# KiCad board yellow_panda.kicad_pcb (continued)
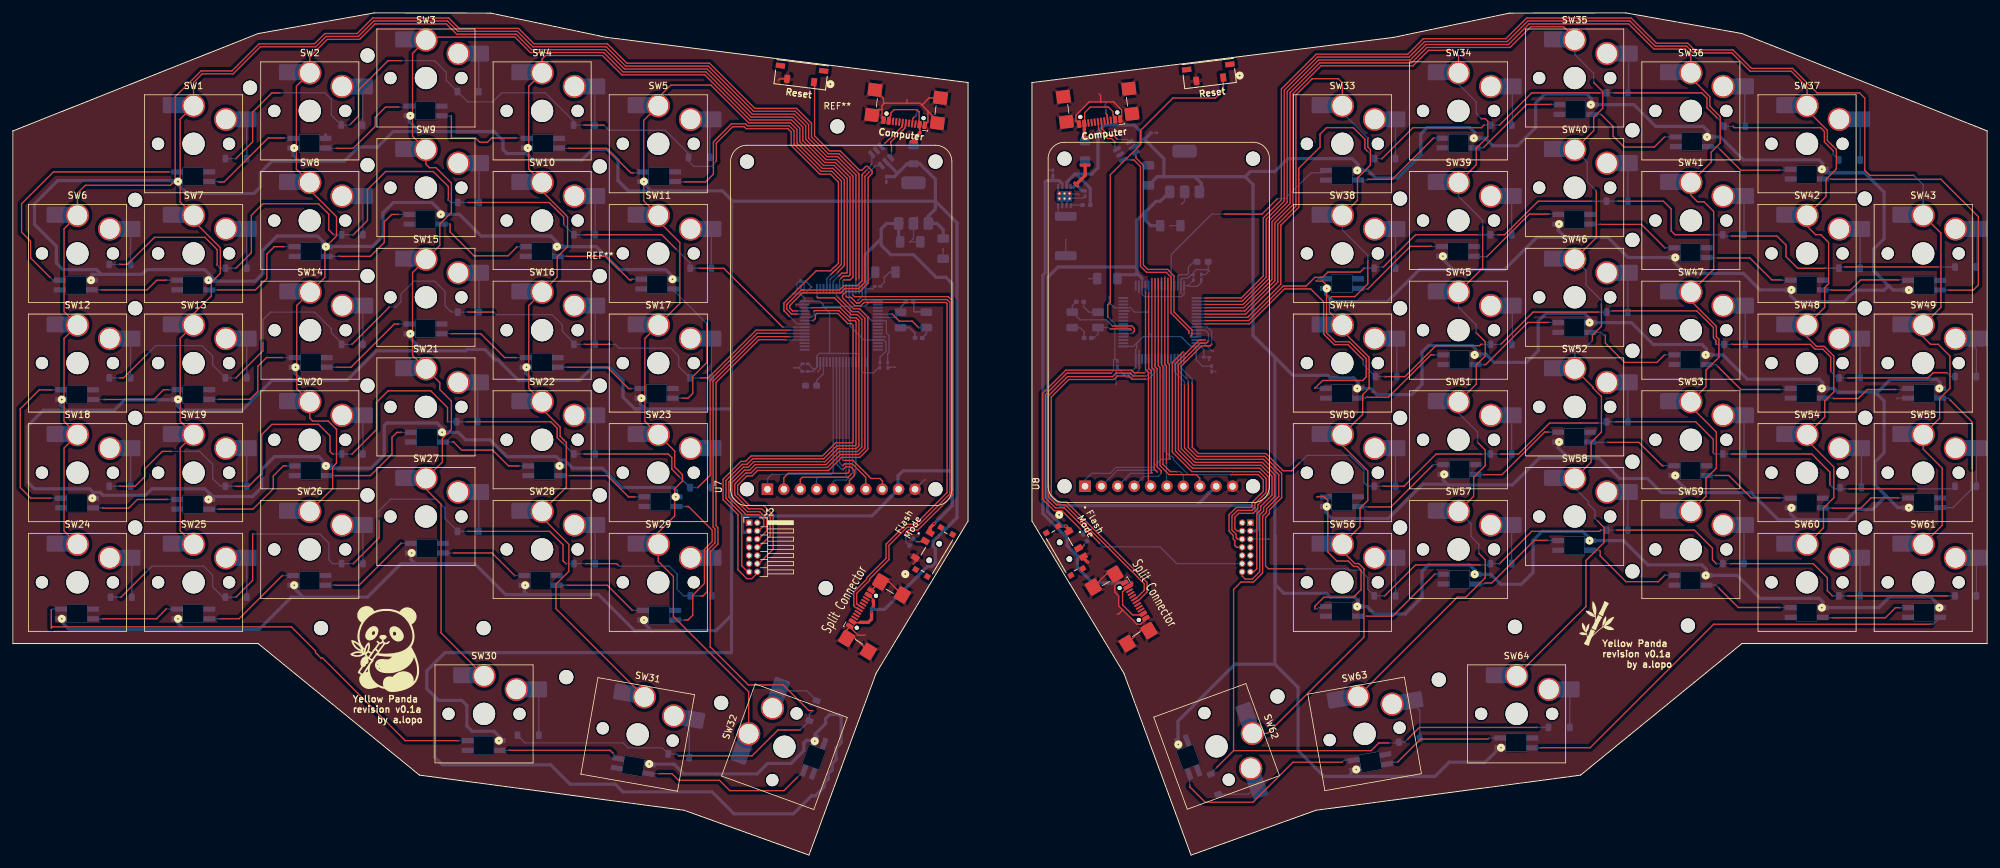
[diagram p0: board, top side]
## Routing (per net, layer and track width the routed paths; a pad name or vN(x,y) marks a point on that pad's centre or on a via; arc(x,y) is an arc through that point) (continued)
/STM MCUs/BOOT0b: length 45.1
  Top w0.2: v1(165.34,50.6) 162.54,53.4 161.34,53.4 159.54,55.2 159.54,71.6 163.14,75.2 173.34,75.2 173.74,74.8 v1(175.34,74.8)
  Bottom w0.2: R4.1 165.84,50.1 v1(165.34,50.6) ; U4.60 175.98,75.43 v1(175.34,74.8)
/STM MCUs/OSC INa: length 10.2
  Top w0.2: v1(140.34,81.8) 139.34,82.8 137.34,82.8 136.28,83.86 136.27,83.86 v1(136.24,83.89)
  Bottom w0.2: v1(136.24,83.89) U3.5 ; v1(140.34,81.8) Y1.3
  Bottom w0.25: Y1.3 141.54,80.83 C11.1
/STM MCUs/OSC OUTa: length 5.8
  Bottom w0.2: U3.6 136.73,83.39 Y1.1
  Bottom w0.25: C12.1 137.54,84.97 Y1.1
/STM MCUs/SW_BOOT0a: length 2
  Top w0.2: SW65.2 141.15,48.71 141.04,48.6 v1(140.04,48.6)
  Bottom w0.2: R3.2 139.61,49.03 v1(140.04,48.6)
/STM MCUs/SW_BOOT0b: length 1.9
  Top w0.2: v1(165.94,48) 165.53,47.59 SW66.2
  Bottom w0.2: v1(165.94,48) 165.94,48.18 R4.2
COL0a: length 228.6
  Top w0.2: SW24.1 7.92,50.28 7.92,63.12 SW18.1 7.92,67.28 7.92,80.12 SW12.1 7.92,84.28 7.92,97.12 SW6.1 10,102.66 11.21,103.87 24.41,103.87 25.14,104.6 25.14,117.6 29.14,121.6 33.94,121.6 38.14,125.8 46.74,125.8 48.34,127.4 53.34,127.4 55.74,129.8 67.54,129.8 69.14,128.2 78.34,128.2 80.74,125.8 92.13,125.8 95.13,122.8 107.94,122.8 114.94,115.8 121.42,115.8 123.74,113.48 123.74,111.36 126.36,108.75 127.99,108.75 131.1,105.64 v1(131.1,89.44)
  Bottom w0.2: v1(131.1,89.44) U3.62
COL0b: length 227.8
  Top w0.2: SW61.1 298.94,51.14 298.94,60 296,62.94 SW55.1 298.54,67.74 298.54,70.8 300.14,72.4 300.14,77.4 298.33,79.21 297.13,79.21 296,80.34 SW49.1 298.74,84.94 298.74,96.46 SW43.1 ; v1(294.54,105.4) 287.74,105.4 286.94,106.2 286.94,117.4 286.14,118.2 279.54,118.2 275.74,122 269.38,122 266.53,124.85 260.57,124.85 259.52,125.9 254.64,125.9 250.74,129.8 234.56,129.8 233.96,129.2 233.94,129.2 231.34,126.6 218.54,126.6 216.14,124.2 201.94,124.2 196.54,118.8 196.54,101.6 193.74,98.8 193.74,89.8 190.34,86.4 v1(184.74,86.4)
  Bottom w0.2: U4.33 184.13,86.38 184.14,86.4 v1(184.74,86.4) ; SW43.1 296,103.94 v1(294.54,105.4)
COL1a: length 215.6
  Top w0.2: v1(130.62,89.2) 130.62,89.24 130.62,89.25 130.62,89.44 130.62,105.48 127.81,108.3 126.17,108.3 123.29,111.18 123.29,113.29 121.23,115.35 114.76,115.35 107.76,122.35 94.94,122.35 91.94,125.35 80.56,125.35 78.16,127.75 68.94,127.75 67.34,129.35 55.93,129.35 53.53,126.95 48.53,126.95 46.93,125.35 38.33,125.35 34.13,121.15 29.33,121.15 27.99,119.81 SW1.1 25.91,114.12 25.91,101.29 SW7.1 28,98.34 32.14,94.2 32.14,90.2 30.74,88.8 30.74,86.71 28,83.96 SW13.1 25.92,80.12 25.92,67.28 SW19.1 25.92,63.12 25.92,50.28 SW25.1
  Bottom w0.2: v1(130.62,89.2) 130.6,89.17 U3.61
COL1b: length 217.7
  Top w0.2: SW60.1 280.54,50.74 280.54,53.8 282.14,55.4 282.14,60.2 278,64.34 SW54.1 280.74,67.94 280.74,70.4 282.14,71.8 282.14,77.4 280.65,78.89 279.45,78.89 278,80.34 SW48.1 280.74,84.94 280.74,88 281.34,88.6 281.34,95 280.13,96.21 279.33,96.21 278,97.54 SW42.1 280.94,102.14 280.94,104.8 282.54,106.4 282.54,109.42 281.14,110.82 281.14,112.4 278,115.54 SW37.1 278,119.1 275.56,121.55 269.19,121.55 266.34,124.4 260.38,124.4 259.33,125.45 254.45,125.45 250.56,129.35 234.74,129.35 231.54,126.15 218.73,126.15 216.33,123.75 202.13,123.75 196.99,118.61 196.99,101.4 194.19,98.6 194.19,89.61 190.46,85.88 v1(184.74,85.88)
  Bottom w0.2: v1(184.74,85.88) U4.34
COL2a: length 198.2
  Top w0.2: SW26.1 49.54,56.84 49.54,60.2 50.14,60.8 50.14,66.05 50.11,66.05 48.85,67.31 46.43,67.31 46,67.74 SW20.1 43.97,72.33 43.97,85.22 SW14.1 48.34,89.59 48.34,94.2 50.14,96 50.14,99 46,103.14 SW8.1 43.92,106.38 43.92,119.22 SW2.1 46,123.78 48.72,126.5 53.72,126.5 56.12,128.9 67.16,128.9 67.74,128.31 67.74,128.3 68.74,127.3 77.97,127.3 80.37,124.9 91.76,124.9 94.76,121.9 107.57,121.9 114.57,114.9 121.04,114.9 122.84,113.1 122.84,110.99 125.98,107.85 127.62,107.85 130.17,105.29 130.17,89.63 129.74,89.2 v1(128.74,89.2)
  Bottom w0.2: U3.57 128.6,89.06 v1(128.74,89.2)
COL2b: length 196.9
  Top w0.2: v1(184.74,85.38) 190.6,85.38 194.64,89.43 194.64,98.41 197.44,101.21 197.44,118.43 202.32,123.3 216.52,123.3 218.92,125.7 231.73,125.7 234.93,128.9 250.37,128.9 254.27,125 259.14,125 260,124.14 SW36.1 260,120.54 262.94,117.6 262.94,116.12 264.54,114.52 264.54,110.4 263.14,109 263.14,107.44 SW41.1 260,102.34 261.03,101.31 262.03,101.31 263.54,99.8 263.54,90.84 SW47.1 260,85.94 263.94,82 263.94,80.4 264.34,80 264.34,77.2 262.34,75.2 262.34,72.64 SW53.1 260,69.54 263.94,65.6 263.94,60 262.34,58.4 262.34,55.64 SW59.1
  Bottom w0.2: v1(184.74,85.38) U4.35
COL3a: length 207.5
  Top w0.2: SW30.1 66.34,34.46 66.34,54.4 64,56.74 SW27.1 66.54,60.94 66.54,64.6 67.94,66 67.94,70.4 66.14,72.2 66.14,73.26 SW21.1 61.92,77.48 61.92,90.32 SW15.1 66.14,94.54 66.14,97.86 67.94,99.66 67.94,104.2 65.54,106.6 64.54,106.6 64,107.14 SW9.1 61.92,111.48 61.92,124.32 SW3.1 64.45,126.85 77.78,126.85 80.18,124.45 91.54,124.45 94.54,121.45 107.38,121.45 114.38,114.45 120.85,114.45 122.39,112.9 122.39,110.8 125.8,107.4 127.43,107.4 129.72,105.11 129.72,89.98 129.54,89.8 128.67,89.8 v1(128.29,89.42)
  Bottom w0.2: v1(128.29,89.42) 128.1,89.23 U3.56
COL3b: length 216.6
  Top w0.2: 242,90.54 SW46.1 245.34,95.74 v1(245.34,103) ; SW35.1 242,126.74 240.3,128.45 235.19,128.45 231.99,125.25 219.1,125.25 216.7,122.85 202.5,122.85 197.9,118.24 197.9,101.03 195.1,98.23 195.1,89.24 190.74,84.88 v1(184.74,84.88) ; 242,56.74 SW58.1 244.54,60.94 244.54,64 246.14,65.6 246.14,71.12 244.85,72.41 244.85,72.55 SW52.1 ; v1(246.14,85.4) 246.14,82 244.74,80.6 v1(244.74,79.8) ; SW64.1 243.74,38.54 243.74,45.67 246.54,48.47 246.54,50.8 v1(245.54,51.8) ; SW40.1 244.94,112.34 244.94,114.4 246.34,115.8 246.34,118.4 v1(244.94,119.8)
  Bottom w0.2: SW58.1 242,56.94 244.14,54.8 244.14,54.4 245.14,53.4 245.14,52.2 v1(245.54,51.8) ; SW40.1 243.94,107.46 243.94,104.4 v1(245.34,103) ; SW46.1 243.74,90.66 243.74,88.4 246.14,86 v1(246.14,85.4) ; SW52.1 242,78.14 242,78.15 242,78.35 242.65,79 243.94,79 v1(244.74,79.8) ; v1(184.74,84.88) U4.36 ; SW35.1 242,124.16 244.94,121.22 v1(244.94,119.8)
COL4a: length 192.1
  Top w0.2: v1(127.94,89.8) 128.04,89.89 128.09,89.89 128.45,90.25 129.19,90.25 129.27,90.33 129.27,104.92 127.25,106.94 125.61,106.94 121.94,110.61 121.94,112.72 120.66,114 114.2,114 107.2,121 94.35,121 91.35,124 82.54,124 82,123.46 SW4.1 79.92,119.22 79.92,106.38 SW10.1 82,102.94 85.94,99 85.94,94.35 84.34,92.75 84.34,89.64 SW16.1 79.92,85.22 79.92,72.38 SW22.1 82,69.18 84.79,66.39 84.79,64.95 85.4,64.34 85.4,64.34 85.68,64.06 85.68,64.06 85.74,64 85.74,57.04 SW28.1 82,52.34 86.14,48.2 86.14,44 84.14,42 84.14,38.22 SW31.1
  Bottom w0.2: U3.54 127.1,88.96 v1(127.94,89.8)
COL4b: length 197.7
  Top w0.2: v1(227.74,97.4) 227.74,91.04 SW45.1 ; v1(227.14,46.8) 228.14,45.8 228.14,43 225.14,40 223.82,40 SW63.1 ; v1(226.94,64) 228.14,62.8 228.14,60.4 226.34,58.6 226.34,55.64 SW57.1 ; SW39.1 226.74,107.04 226.74,109.6 228.54,111.4 228.54,113.8 228.14,114.2 v1(227.54,114.2) ; v1(226.74,81) 228.14,79.6 228.14,77.4 226.74,76 226.74,73.04 SW51.1 224,69.21 ; SW34.1 224,123.94 223.15,124.8 219.34,124.8 216.94,122.4 202.69,122.4 198.35,118.06 198.35,100.84 195.55,98.04 195.55,89.05 190.88,84.38 v1(184.74,84.38)
  Bottom w0.2: v1(226.94,64) 226.94,65.6 224,68.54 SW51.1 ; SW57.1 225.94,51.36 225.94,49.4 227.14,48.2 v1(227.14,46.8) ; v1(227.74,97.4) 227.74,98.4 224,102.14 SW39.1 ; v1(227.54,114.2) 226.74,115 226.74,116.8 224,119.54 SW34.1 ; v1(226.74,81) 226.74,82.2 224,84.94 SW45.1 ; v1(184.74,84.38) 183.93,84.38
COL5a: length 168.8
  Top w0.2: v1(127.79,90.34) 127.76,90.34 128.82,91.4 128.82,104.73 127.06,106.49 125.42,106.49 121.49,110.43 121.49,112.53 120.47,113.54 114.01,113.54 108.15,119.4 101.94,119.4 100,117.46 SW5.1 97.74,113.94 97.74,101.46 SW11.1 100,98.34 103.34,95 103.34,85.54 SW17.1 97.92,80.12 97.92,67.28 SW23.1 102.54,62.66 102.54,60.2 103.74,59 103.74,58 102.54,56.8 102.54,52.6 100,50.06 SW29.1 100,45.54 102.34,43.2 102.34,37 114.01,25.34 SW32.1
  Bottom w0.2: v1(127.79,90.34) 127.05,89.6 126.94,89.6 126.6,89.26 U3.53
COL5b: length 181.9
  Top w0.2: v1(209.94,111.2) 209.94,109.8 210.34,109.4 210.34,107 208.34,105 208.34,101.54 SW38.1 ; v1(184.74,83.88) 191.02,83.88 196,88.87 196,97.85 198.8,100.66 198.8,117.87 201.33,120.4 205.34,120.4 206,119.74 SW33.1 ; v1(209.94,92.2) 209.94,88.6 207.94,86.6 204.34,86.6 203.99,86.25 203.99,84.21 SW44.1 206,81.34 210.14,77.2 210.14,72.4 209.14,71.4 209.14,68.34 SW50.1 206,63.54 209.94,59.6 209.94,55 208.74,53.8 208.74,50.94 SW56.1 206,47.14 207.93,45.21 208.53,45.21 209.34,44.4 209.34,37.32 209.27,37.25 209.27,36.85 209.34,36.78 209.34,33.8 194.42,18.88 SW62.1
  Bottom w0.2: v1(184.74,83.88) U4.38 ; SW33.1 206,115.14 v1(209.94,111.2) ; v1(209.94,92.2) 209.94,93 206,96.94 SW38.1
CSa: length 22.5
  Bottom w0.2: U3.20 130.6,59.11 129.89,58.4 129.38,58.4 129.13,58.15 127.34,58.15 127.08,57.89 U7.5
CSb: length 31.4
  Top w0.2: U8.5 175.94,57.54 175.94,74.87 175.5,75.31 175.5,87.34 v1(175.5,87.34)
  Bottom w0.2: v1(175.5,87.34) 175.48,87.36 U4.20
DataCommanda: length 22.7
  Top w0.2: U7.7 132.14,56.75 132.14,58.6 130.07,60.67 128.86,60.67 128.59,60.4 v1(128.54,60.4)
  Bottom w0.2: v1(128.54,60.4) 128.1,60.84 U3.25
DataCommandb: length 35.7
  Top w0.2: v1(177.98,89.43) 177.98,76.03 178.2,75.81 178.2,60.6 179.32,59.47 v1(180.34,59.47)
  Bottom w0.2: U8.7 181.36,58.98 180.87,59.47 v1(180.34,59.47) ; v1(177.98,89.43) U4.25
LCDReseta: length 24
  Top w0.2: v1(128.6,61.2) 130.18,61.2 132.98,58.4 134.34,58.4 134.74,58 134.74,56.78 U7.8
  Bottom w0.2: v1(128.6,61.2) U3.24
LCDResetb: length 38.4
  Top w0.2: v1(177.47,89.41) 177.47,75.89 177.75,75.62 177.75,60.4 179.15,59 183.34,59 183.9,58.44 U8.8
  Bottom w0.2: v1(177.47,89.41) 177.48,89.41 U4.24
LEDsa: length 55
  Top w0.2: v1(126.73,90.02) 127.11,90.4 127.14,90.4 127.14,90.44 127.41,90.7 127.48,90.7 128.37,91.59 128.37,104.55 126.87,106.04 125.23,106.04 121.04,110.24 121.04,112.34 120.29,113.09 113.82,113.09 113.52,113.4 111.34,113.4 108.54,110.6 108.54,107.8 108.54,107 108.54,105.6 107.34,104.4 v1(104.14,104.4)
  Bottom w0.2: v1(104.14,104.4) 102.7,104.4 LED1.4 ; v1(126.73,90.02) 126.1,89.39 U3.52
LEDsb: length 33.8
  Top w0.2: v1(187.74,99.4) 193.54,99.4 v1(195.94,101.8)
  Bottom w0.2: v1(195.94,101.8) 197.14,101.8 201.14,105.8 203.07,105.8 LED33.4 ; 179.48,88.73 179.48,93.13 185.74,99.4 v1(187.74,99.4)
MISOa: length 29.3
  Top w0.2: U7.2 119.46,58.52 120.14,59.2 129.34,59.2 129.6,59.46 v1(129.6,59.74)
  Bottom w0.2: v1(129.6,59.74) U3.22
MISOb: length 41.3
  Top w0.2: v1(177.34,59.4) 176.84,59.9 176.84,75.25 176.48,75.61 v1(176.48,89.4)
  Bottom w0.2: U8.2 171.14,59.68 177.07,59.68 v1(177.34,59.4) ; v1(176.48,89.4) U4.22
MOSIa: length 24.1
  Bottom w0.2: U7.4 124.54,58.37 124.77,58.6 128.94,58.6 129.1,58.76 U3.23
MOSIb: length 36.7
  Top w0.2: v1(176.98,89.37) 176.98,75.75 177.3,75.43 177.3,60.21 177.94,59.57 v1(177.94,59.2)
  Bottom w0.2: U8.4 175.27,58.72 177.47,58.72 v1(177.94,59.2) ; v1(176.98,89.37) U4.23
OSC INb: length 15.6
  Top w0.2: v1(173.5,80.99) 173.78,81.27 173.78,81.66 173.39,82.05 170.39,82.05 v1(170.36,82.07)
  Bottom w0.2: v1(170.36,82.07) 169.44,83 165.34,83 Y2.3 164.14,85.17 C19.1 ; v1(173.5,80.99) 173.4,80.88 U4.5 172.83,80.88
OSC OUTb: length 8.9
  Top w0.2: v1(170.14,81.6) 173.17,81.6 v1(173.3,81.46)
  Bottom w0.2: v1(170.14,81.6) 169.94,81.6 169.74,81.8 Y2.1 168.14,80.8 167.54,80.2 C20.1 ; U4.6 172.93,81.38 173.01,81.46 v1(173.3,81.46)
RESETa: length 117.8
  Top w0.2: SW67.1 124.22,119.77 124.22,111.53 126.54,109.2 128.18,109.2 131.18,106.2 131.54,106.2 132.14,106.8 132.42,106.8 133.13,106.09 133.13,105.69 132.51,105.07 132.51,88.7 131.99,88.18 131.99,88.17 131.22,87.4 129.14,87.4 128.54,86.8 128.54,86.44 130.26,84.72 131.2,84.72 132.43,83.48 v1(132.47,83.48) 132.47,62.93 131.22,61.68 128.4,61.68 126.38,59.65 115.39,59.65 114.54,58.8 113.74,58.8 112.29,57.35 112.29,56.05 114.14,54.2 116.34,54.2 117.79,52.75 117.79,47.44 115.34,44.99
  Bottom w0.2: C21.2 135.54,77.76 135.74,77.96 135.74,80.6 135.34,81 135.34,82.8 135.25,82.89 U3.7 133.05,82.89 132.47,83.47 v1(132.47,83.48)
RESETb: length 121.9
  Top w0.2: v1(169.74,83.4) 169.64,83.5 169.64,85.34 170.04,85.74 170.04,105.5 174.74,110.2 174.74,112.4 179.74,117.4 186.34,117.4 187.54,118.6 SW68.1 ; v1(168.34,48.37) 168.33,48.38 168.33,48.42 162.89,53.85 161.53,53.85 159.99,55.39 159.99,71.41 163.33,74.75 170.12,74.75 v1(170.14,74.72)
  Bottom w0.2: v1(169.74,83.4) 170.84,82.3 170.84,82.07 171.03,81.88 ; U4.7 171.03,81.88 ; 171.03,81.88 170.74,81.6 170.74,77.01 ; 170.74,77.01 170.74,77 170.54,76.8 170.54,75.12 v1(170.14,74.72) ; 170.74,77.01 C22.2 ; J1.12 180.35,45.19 177.74,47.8 168.94,47.8 168.38,48.37 v1(168.34,48.37)
ROW0a: length 160.1
  Top w0.2: v1(109.02,107.6) 108.99,107.62 108.99,110.41 111.53,112.95 113.33,112.95 113.63,112.64 120.1,112.64 120.59,112.16 120.59,110.05 125.05,105.59 126.69,105.59 127.92,104.36 127.92,91.78 127.3,91.15 127.22,91.15 126.67,90.6 124.47,90.6 119.47,85.6 119.47,84.42 v1(120.31,83.57) ; v1(52.34,113.4) 53.54,114.6 53.54,118.6 58.14,123.2 v1(60.14,123.2) ; v1(34.54,108) 37.14,110.6 37.14,115.2 40.14,118.2 v1(41.34,118.2) ; v1(91.54,113.2) v1(88.54,113.2)
  Bottom w0.2: U3.41 121.5,82.39 v1(120.31,83.57) ; v1(52.34,113.4) 52.14,113.2 D7.1 ; v1(41.34,118.2) 48.34,118.2 49.34,117.2 49.34,114.74 D7.1 ; D7.1 50.88,113.86 ; v1(109.02,107.6) 108.22,106.8 105.51,106.8 104.68,107.63 D10.1 104.68,108.8 101.08,112.4 92.34,112.4 v1(91.54,113.2) ; v1(88.54,113.2) D9.1 86.88,113.8 82.48,118.2 75.74,118.2 74.34,116.8 70.48,116.8 D8.1 67.14,120.14 67.14,121.4 65.34,123.2 v1(60.14,123.2) ; D6.1 v1(34.54,108)
ROW0b: length 136.4
  Top w0.2: v1(209.87,109.2) 209.49,109.58 209.49,111.01 207.7,112.8 203.54,112.8 202.54,111.8 202.54,109.8 199.25,106.51 199.25,100.47 196.46,97.68 196.46,88.52 191.33,83.38 v1(184.74,83.38) ; v1(230.34,113.2) 235.34,118.2 v1(245.87,118.2) ; v1(266.54,113) 266.74,112.8 280.1,112.8 280.69,112.21 280.69,110.58 v1(282.07,109.2) ; v1(212.14,108) 216.94,112.8 227.54,112.8 v1(227.94,113.2) ; v1(248.14,118.2) 261.69,118.2 262.49,117.4 262.49,115.9 v1(264.07,114.32)
  Bottom w0.2: v1(227.94,113.2) D39.1 v1(230.34,113.2) ; 184.28,83.38 U4.39 v1(184.74,83.38) ; v1(264.07,114.32) 265.13,113.26 D41.1 v1(266.54,113) ; D42.1 282.07,108.66 v1(282.07,109.2) ; v1(245.87,118.2) D40.1 v1(248.14,118.2) ; v1(209.87,109.2) 210.93,108.14 D38.1 v1(212.14,108)
ROW1a: length 143.5
  Top w0.2: v1(88.54,96.2) 100.54,96.2 v1(102.74,94) ; v1(119.29,81.88) 119.27,81.88 110.14,91 v1(106.34,91) ; v1(16.54,91.6) 17.74,91.6 21.94,95.8 29.74,95.8 31.64,93.9 v1(31.64,91.5) ; v1(49.67,96.24) 48.94,96.96 48.94,99.4 47.34,101 38.74,101 36.94,99.2 36.94,93.4 v1(34.54,91) ; v1(52.74,96.2) 54.94,98.4 54.94,103.2 57.74,106 65.14,106 67.47,103.67 v1(67.47,101.6) ; v1(85.34,97.79) 85.34,97.8 85.34,98.96 83.1,101.2 v1(70.54,101.2)
  Bottom w0.2: D12.1 32.94,91 ; D12.1 v1(34.54,91) ; D12.1 32.14,91 v1(31.64,91.5) ; v1(119.29,81.88) 121.24,81.88 121.25,81.89 U3.40 ; v1(106.34,91) D16.1 104.93,91.81 v1(102.74,94) ; v1(49.67,96.24) 49.71,96.24 49.74,96.2 D13.1 v1(52.74,96.2) ; 14.93,91.21 D11.1 v1(16.54,91.6) ; v1(70.54,101.2) D14.1 67.87,101.2 v1(67.47,101.6) ; v1(88.54,96.2) D15.1 v1(85.34,97.79)
ROW1b: length 133.5
  Top w0.2: v1(230.14,96.2) 231.14,96.2 236.34,101.4 v1(244.54,101.4) ; v1(280.87,91) 276.54,91 274.74,92.8 274.74,94.6 273.34,96 v1(266.34,96) ; v1(262.94,96.2) 257.54,96.2 256.94,96.8 256.94,100.2 255.74,101.4 v1(248.74,101.4) ; v1(209.34,91) 208.74,90.4 203.74,90.4 202.94,89.6 201.74,89.6 200.39,88.25 196.83,88.25 191.46,82.88 v1(184.74,82.88) ; v1(212.34,91.2) 217.34,96.2 v1(226.94,96.2) ; v1(298.27,91.2) v1(283.94,91.2)
  Bottom w0.2: v1(248.74,101.4) D45.1 v1(244.54,101.4) ; v1(280.87,91) D47.1 283.13,91.2 v1(283.94,91.2) ; v1(266.34,96) 265.13,96 D46.1 v1(262.94,96.2) ; v1(209.34,91) D43.1 211.13,91.2 v1(212.34,91.2) ; v1(230.14,96.2) D44.1 v1(226.94,96.2) ; v1(184.74,82.88) U4.40 184.28,82.88 ; D48.1 v1(298.27,91.2)
ROW2a: length 139.9
  Top w0.2: v1(88.54,79.2) v1(92.34,79.2) ; v1(106.54,74) 107.74,74 115.14,81.4 v1(120.34,81.4) ; v1(58.34,85) v1(52.54,79.2) ; v1(34.54,74) 38.74,78.2 v1(38.74,79.4) ; v1(16.54,74) 17.14,74 v1(20.74,77.6) ; v1(70.54,84.2) v1(74.34,84.2)
  Bottom w0.2: v1(58.34,85) 59.34,85 60.14,85.8 60.14,87 62.14,89 65.34,89 66.94,87.4 66.94,85.2 67.94,84.2 D20.1 ; v1(120.34,81.4) 120.35,81.39 U3.39 ; D17.1 v1(16.54,74) ; D21.1 86.93,78.81 ; D21.1 86.93,79.41 85.14,81.2 85.14,82.2 83.54,83.8 74.94,83.8 74.54,84.2 v1(74.34,84.2) ; D21.1 v1(88.54,79.2) ; v1(20.74,77.6) 22.14,79 29.34,79 30.94,77.4 30.94,75.99 D18.1 v1(34.54,74) ; v1(52.54,79.2) D19.1 50.93,79.41 49.34,81 49.34,81.6 46.74,84.2 39.94,84.2 38.74,83 v1(38.74,79.4) ; v1(106.54,74) D22.1 103.14,75.79 103.14,77.4 101.94,78.6 93.94,78.6 93.34,79.2 v1(92.34,79.2) ; D20.1 68.93,84.01 ; D20.1 v1(70.54,84.2)
ROW2b: length 140.5
  Top w0.2: v1(284.34,74) 296.74,74 297.54,74.8 v1(299.67,74.8) ; v1(281.67,75) 281.67,77.24 280.46,78.44 279.26,78.44 278.5,79.2 v1(266.34,79.2) ; v1(209.22,76.8) 206.87,79.15 204.76,79.15 203.09,80.81 203.09,85.8 201.09,87.8 197.02,87.8 191.6,82.38 v1(184.74,82.38) ; v1(245.67,84.2) 235.54,84.2 v1(230.54,79.2) ; v1(212.54,74.2) 215.7,74.2 220.5,79 227.27,79 227.47,79.2 v1(227.67,79.2) ; v1(263.87,79.2) 263.89,79.22 263.89,79.81 263.49,80.21 263.49,81.81 260.9,84.4 v1(247.94,84.4)
  Bottom w0.2: v1(247.94,84.4) 247.54,84.4 247.34,84.2 D51.1 v1(245.67,84.2) ; v1(281.67,75) 282.67,74 D53.1 v1(284.34,74) ; v1(212.54,74.2) D49.1 209.22,76.11 v1(209.22,76.8) ; D54.1 300.27,74.2 v1(299.67,74.8) ; v1(184.74,82.38) U4.41 ; v1(266.34,79.2) D52.1 v1(263.87,79.2) ; v1(230.54,79.2) D50.1 v1(227.67,79.2)
ROW3a: length 160.1
  Top w0.2: v1(34.54,57.2) 36.54,57.2 38.54,59.2 38.54,65.2 40.14,66.8 47.34,66.8 49.14,65 49.14,62.6 v1(49.54,62.2) ; v1(67.34,67.2) 67.34,69.4 64.74,72 58.14,72 56.34,70.2 56.34,66 v1(52.54,62.2) ; v1(103.24,58.69) 102.09,59.84 102.09,61.65 101.54,62.2 v1(88.54,62.2) ; v1(70.34,67.2) 83.34,67.2 84.34,66.2 84.34,64.73 v1(85.21,63.86) ; v1(119.74,80.92) 115.31,80.92 108.04,73.66 108.04,58.9 v1(106.14,57) ; v1(24.54,62.6) 23.14,62.6 20.46,59.91 20.46,58.71 18.94,57.2 v1(16.54,57.2)
  Bottom w0.2: v1(106.14,57) D28.1 v1(103.24,58.69) 103.14,58.79 ; 14.93,57.01 D23.1 v1(16.54,57.2) ; v1(24.54,62.6) 28.94,62.6 30.94,60.6 30.94,58.4 32.14,57.2 D24.1 ; D24.1 33.14,57.2 ; D24.1 v1(34.54,57.2) ; v1(119.74,80.92) 119.78,80.89 U3.38 ; v1(49.54,62.2) D25.1 v1(52.54,62.2) ; v1(70.34,67.2) D26.1 v1(67.34,67.2) ; v1(85.21,63.86) 86.87,62.2 D27.1 ; D27.1 v1(88.54,62.2) ; D27.1 86.94,62.2
ROW3b: length 149.3
  Top w0.2: v1(245.54,67) 238.1,67 233.3,62.2 v1(230.54,62.2) ; v1(263.47,62.4) 263.47,64.47 260.74,67.2 v1(248.34,67.2) ; v1(212.34,57.2) 215.54,57.2 220.54,62.2 v1(227.54,62.2) ; v1(182.74,73.2) 182.74,63.23 183.69,62.28 194.14,62.28 196.82,59.6 198.14,59.6 v1(199.34,60.8) ; v1(294.54,56.8) v1(284.54,56.8) ; v1(281.54,57.4) 281.54,59.4 278.74,62.2 v1(266.34,62.2)
  Bottom w0.2: D60.1 300.53,56.8 v1(294.54,56.8) ; v1(212.34,57.2) D55.1 209.94,57.2 209.34,57.8 209.34,59.8 207.14,62 200.54,62 v1(199.34,60.8) ; v1(230.54,62.2) D56.1 v1(227.54,62.2) ; v1(182.74,73.2) 182.74,73.8 180.98,75.57 U4.50 ; v1(263.47,62.4) 263.67,62.2 D58.1 v1(266.34,62.2) ; v1(281.54,57.4) 282.14,56.8 v1(284.54,56.8) ; v1(245.54,67) 246.73,67 D57.1 v1(248.34,67.2)
ROW4a: length 177.4
  Top w0.2: v1(70.54,50.2) 83.14,50.2 85.24,48.1 85.24,45.62 v1(85.67,45.2) ; v1(37.14,49.8) 37.14,42.6 v1(34.54,40) ; v1(56.74,51.8) 56.74,49.2 v1(52.74,45.2) ; v1(88.74,45.2) 93.54,45.2 v1(93.74,45) ; v1(20.54,43.8) v1(16.74,40) ; v1(120.34,80.4) 119.94,80.4 115.42,80.4 108.49,73.47 108.49,50.89 108.79,50.59 108.79,48.41 107.6,47.22 107.6,40.86 106.94,40.2 v1(106.54,40.2)
  Bottom w0.2: D30.1 v1(34.54,40) ; D30.1 32.54,40 30.94,41.6 30.94,43.4 29.54,44.8 21.54,44.8 v1(20.54,43.8) ; D30.1 32.94,40 ; v1(37.14,49.8) 47.54,49.8 48.94,48.4 48.94,45.8 49.54,45.2 D31.1 ; D31.1 v1(52.74,45.2) ; D31.1 50.94,45.2 ; D32.1 68.88,50.26 66.94,52.2 66.94,53.8 65.54,55.2 58.54,55.2 56.74,53.4 v1(56.74,51.8) ; D32.1 68.88,50.06 ; D32.1 v1(70.54,50.2) ; v1(16.74,40) D29.1 15.13,39.61 ; v1(106.54,40.2) D34.1 103.94,40.2 102.94,41.2 102.94,43.6 101.74,44.8 93.94,44.8 v1(93.74,45) ; v1(85.67,45.2) D33.1 ; D33.1 86.93,44.81 ; D33.1 v1(88.74,45.2) ; U3.37 120.35,80.39 v1(120.34,80.4)
ROW4b: length 166.4
  Top w0.2: v1(281.94,40.2) 281.14,41 281.14,43 278.94,45.2 v1(266.14,45.2) ; v1(248.54,50.4) 260.54,50.4 263.34,47.6 263.34,45.8 v1(263.94,45.2) ; v1(212.54,40.2) 217.34,45 v1(227.34,45) ; v1(182.12,73.26) 182.12,63.21 183.5,61.83 193.95,61.83 196.59,59.19 196.59,55.42 194.7,53.53 194.7,52.96 194.1,52.36 194.1,44.85 194.54,44.4 v1(199.74,44.4) ; v1(230.34,45.2) 235.34,50.2 245.87,50.2 v1(246.07,50.4) ; v1(284.34,40.2) v1(299.74,40.2)
  Bottom w0.2: v1(266.14,45.2) D64.1 v1(263.94,45.2) ; v1(248.54,50.4) D63.1 v1(246.07,50.4) ; v1(299.74,40.2) D66.1 ; v1(230.34,45.2) D62.1 228.73,45 v1(227.34,45) ; v1(212.54,40.2) D61.1 209.94,41.19 209.94,43 208.74,44.2 207.04,44.2 206.86,44.38 206.37,44.38 206.34,44.4 v1(199.74,44.4) ; v1(182.12,73.26) 182.12,73.6 180.48,75.25 U4.51 ; v1(284.34,40.2) D65.1 v1(281.94,40.2)
ROW5a: length 130.7
  Top w0.2: v1(121.94,19.4) 118.54,19.4 114.54,15.4 v1(103.14,15.4) ; v1(119.74,79.92) 115.58,79.92 108.94,73.29 108.94,51.08 109.24,50.77 109.24,48.23 108.05,47.03 108.05,32.31 108.04,32.3 113.94,26.4 119.34,26.4 123.34,22.4 v1(123.94,22.4)
  Bottom w0.2: v1(123.94,22.4) 123.42,21.87 D37.1 ; 121.97,19.4 D37.1 ; 121.97,19.4 D37.1 ; 121.97,19.4 v1(121.94,19.4) ; U3.36 119.78,79.89 v1(119.74,79.92) ; D35.1 79.38,17.4 94.54,17.4 95.31,16.64 100.61,16.64 D36.1 102.86,15.69 v1(103.14,15.4)
ROW5b: length 133
  Top w0.2: v1(186.54,13.6) 189.14,16.2 ; 189.14,16.2 210.46,16.2 211.66,17.4 v1(213.14,17.4) ; 189.14,16.2 189.14,41.2 190.29,42.35 192.23,42.35 193.64,43.76 193.64,52.55 194.24,53.15 194.24,53.71 196.14,55.61 196.14,59 193.77,61.38 183.32,61.38 181.54,63.15 v1(181.54,73) ; v1(236.14,19.8) 217.94,19.8 v1(216.14,18)
  Bottom w0.2: v1(236.14,19.8) D69.1 ; v1(181.54,73) 181.54,73.4 179.98,74.97 U4.52 ; v1(186.54,13.6) 185.62,12.67 D67.1 ; v1(213.14,17.4) 214.64,17.4 D68.1 215.66,17.51 v1(216.14,18)
SCKa: length 27.2
  Top w0.2: v1(129.88,59.06) 129.41,58.6 122.34,58.6 122,58.26 U7.3
  Bottom w0.2: U3.21 130.1,59.29 v1(129.88,59.06)
SCKb: length 35.5
  Top w0.2: v1(176.54,59.2) 176.39,59.35 176.39,75.06 175.98,75.48 v1(175.98,87.2)
  Bottom w0.2: 175.98,87.18 v1(175.98,87.2) U4.21 ; U8.3 173.2,59.2 v1(176.54,59.2)
SCLa: length 71.9
  Top w0.2: 130.94,38.82 130.82,38.94 130.8,38.94 130.74,39 130.74,40.6 132.74,42.6 132.74,42.83 135.71,45.8 135.74,45.8 135.74,48.04 138.56,50.85 140.03,50.85 145.19,56.01 145.19,85.71 144.76,86.15 131.69,86.15 131.17,85.63 131.14,85.63 130.74,85.63 130.74,85.62 130.74,85.63 130.73,85.63 130.72,85.63 130.3,86.04 130.3,86.04 130.03,86.32 130.02,86.32 129.99,86.36 129.98,86.36 129.83,86.5 129.24,86.5 v1(129.1,86.64)
  Bottom w0.2: v1(129.1,86.64) U3.58
SCLb: length 60
  Top w0.2: 174.54,39.6 175.74,40.81 175.74,42.28 163.27,54.75 161.9,54.75 160.9,55.76 160.9,71.04 163.6,73.75 170.58,73.75 171.13,74.3 172.94,74.3 173.44,73.8 v1(175.47,73.8)
  Bottom w0.2: 176.98,76.08 U4.58 176.98,74.83 175.94,73.8 v1(175.47,73.8)
ScreenBrighta: length 29.3
  Bottom w0.2: U3.27 127.1,59.36 126.79,59.05 117.59,59.05 116.92,58.38 U7.1
ScreenBrightb: length 44.8
  Top w0.2: v1(178.98,89.43) 178.98,76.3 179.19,76.09 179.19,61.55 v1(179.34,61.4)